# Altium PCB IMX93EVK-SOM_Only-BGA-Fanouts_PrePlaced.PcbDoc (part 2 of 4) (continued)
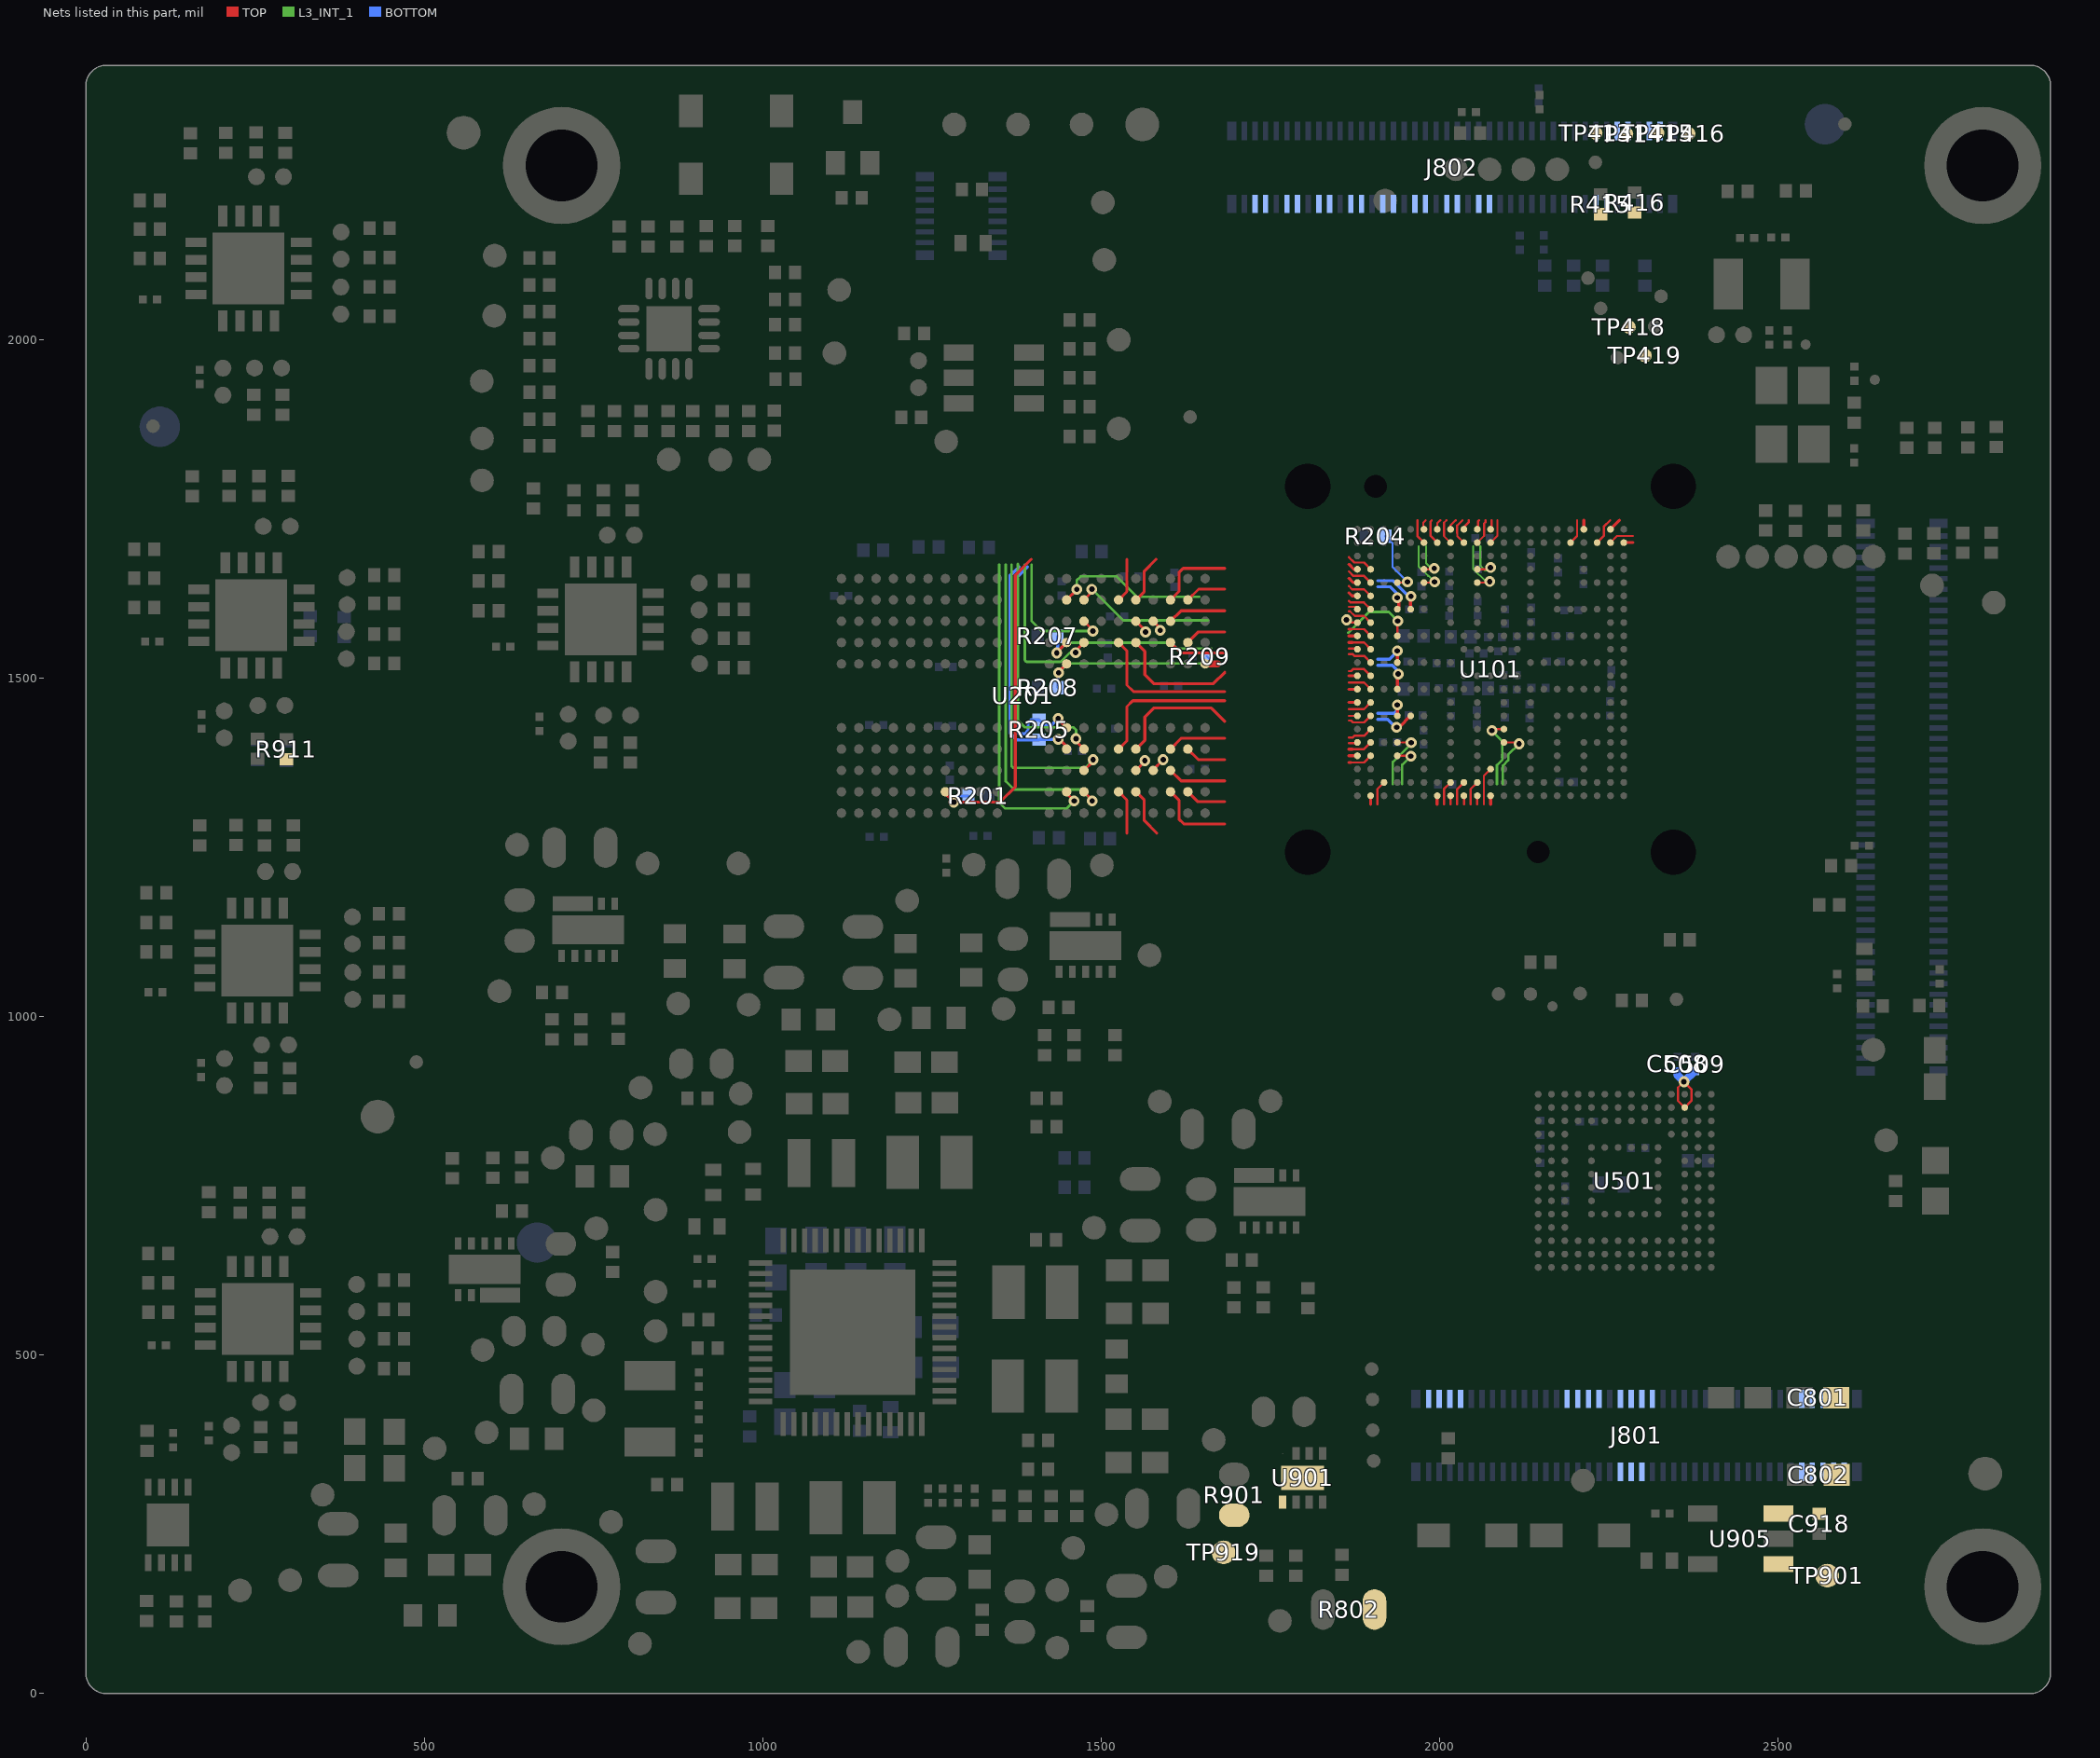
[diagram p5: the nets of this part, all layers, seen from the top]
## Part data (continued)
R103 R104 R109 R110 R111 R202 R203 R206 R702 R704 R709 R801: library part RES, "RES MF ZERO OHM 1/10W -- 0603", Temp Range="¨C55 ¡ãC to +155 ¡ãC", AGILE_PN=470-80866, CAD_APPROVED=Yes, CLASS=DISCRETE, FPLIST=RC0603_OV,RC0603,R603-X2,0603_CC,IND_0603HP_NSP,CC0603_OV_NSP, HEIGHT=0.6MM, MFG_NAME01="WALSIN TECHNOLOGY CORP.", MFG_PN01=WR06X000PTL, PCB Footprint=0603_CC, ROHS=Yes
  R103 R104 R109 R110 R111 R202 R203 R206 R702 R801: ASSY_OPT=DNP
R201 R207 R208 R310 R311 R403 R501 R502 R602 R907 R913 R914 R915 R922 R933 R934 R936 R938 R951 R952 R953 R955 R956 R959 R971 R985 R993 R994 R995 R1011 R1012 R1013 R1024 R1025 R1027: library part RES, "RES MF 10K 1/16W 5% 0402", Tolerance=5%, AGILE_PN=470-75557, CAD_APPROVED=Yes, CLASS=DISCRETE, FPLIST=RC0402_25,RC0402_HD,0402_CC, HEIGHT="0.4 MM", MFG_NAME01="VISHAY INTERTECHNOLOGY", MFG_PN01=CRCW040210K0JNED, PCB Footprint=0402_CC, ROHS=Yes
  R207 R208 R310 R311 R501 R502 R914 R934 R956 R971 R994 R1025: ASSY_OPT=DNP
R204: library part RES, "RES MF 120 OHM 1/10W 1% AEC-Q200 0402", Temp Range="-55¡ãC ~ 155¡ãC", Tolerance=1%, VOLTAGE=1/10W, AGILE_PN=470-82646, CAD_APPROVED=Yes, CLASS=DISCRETE, FPLIST=RC0402_25,RC0402_HD,0402_CC, HEIGHT=0.4MM, MFG_NAME01=Panasonic, MFG_PN01=ERJ-2RKF1200X, PCB Footprint=0402_CC, ROHS=Yes
R205: library part RES, "RES MF 150 OHM 1/16W 1% 0402", Tolerance=1%, AGILE_PN=470-75353, ASSY_OPT=DNP, CAD_APPROVED=Yes, CLASS=DISCRETE, FPLIST=RC0402_25,RC0402_HD,0402_CC, HEIGHT=0.4MM, MFG_NAME01="NIC COMPONENTS CORP", MFG_PN01=NRCL04F1500TRF, PCB Footprint=0402_CC, ROHS=Yes
R209: library part RES, "RES MF 240 OHM 1/20W 1% 0201", Temp Range="-55¡ãC ~ 125¡ãC", Tolerance=1%, VOLTAGE=25V, AGILE_PN=470-81317, CAD_APPROVED=Yes, CLASS=DISCRETE, FPLIST=CC0201,CC0201_HD,0201_CC, HEIGHT=0.26MM, MFG_NAME01="YAGEO AMERICA", MFG_PN01=RC0201FR-07240RL, PCB Footprint=0201_CC, ROHS=Yes, Temp_Range="-55¡ãC ~ 125¡ãC"
R301 R304 R406 R412 R717 R719 R724 R725 R906 R910 R926 R928 R946 R948 R988 R990 R1019 R1021: library part RES, "RES MF ZERO OHM 1/20W -- 0201", AGILE_PN=470-76631, CAD_APPROVED=Yes, CLASS=DISCRETE, FPLIST=RC0201,0201_CC,RC0201_X2, HEIGHT="0.30 MM", MFG_NAME01=BOURNS, MFG_PN01=CR0201-J/-000GLF, PCB Footprint=0201_CC, ROHS=Yes
R302 R303 R305: library part RES, "RES MF 200 OHM 1/20W 1% 0201", Temp Range="-55¡ãC ~ 125¡ãC", Tolerance=1%, VOLTAGE=25V, AGILE_PN=470-82323, CAD_APPROVED=Yes, CLASS=DISCRETE, FPLIST=RC0201,0201_CC, HEIGHT=0.26MM, MFG_NAME01="YAGEO AMERICA", MFG_PN01=RC0201FR-07200RL, PCB Footprint=0201_CC, ROHS=Yes, Temp_Range="-55¡ãC ~ 125¡ãC"
R306 R307 R308 R309 R312 R601 R603 R604 R712 R713 R975 R976 R977 R978 R979 R980 R981 R982 R1036 R1037: library part RES, "RES MF 4.7K 1/10W 5% AEC-Q200 0402", Temp Range="-55C to +155C", Tolerance=5%, VOLTAGE=50V, AGILE_PN=470-82064, CAD_APPROVED=Yes, CLASS=DISCRETE, FPLIST=RC0402_25,RC0402_HD,0402_CC,RC0402_X2, HEIGHT=0.41mm, MFG_NAME01="KOA SPEER", MFG_PN01=RK73B1ETTP472J, PCB Footprint=0402_CC, ROHS=Yes
  R306 R307 R308 R309 R312 R712 R713: Temp_Range="-55C to +155C"
  R601 R603 R604: ASSY_OPT=DNP
R401 R404 R405 R415 R416 R417 R418 R609 R610 R611 R612 R703 R705 R1009: library part RES, "RES MF 100K 1/16W 5% 0402", Temp Range="-55C to +155C", Tolerance=5%, VOLTAGE=50V, AGILE_PN=470-75597, CAD_APPROVED=Yes, CLASS=DISCRETE, FPLIST=RC0402_25,RC0402_HD,0402_CC, HEIGHT="0.40 MM", MFG_NAME01="VENKEL COMPANY", MFG_PN01=CR0402-16W-104JT, PCB Footprint=0402_CC, ROHS=Yes
  R401 R609 R610 R611 R612 R703: ASSY_OPT=DNP
R411: library part RES, "RES MF ZERO OHM 1/20W -- 0201", Tolerance=5%, AGILE_PN=470-76631, ASSY_OPT=DNP, CAD_APPROVED=Yes, CLASS=DISCRETE, FPLIST=RC0201,0201_CC,RC0201_X2, HEIGHT="0.30 MM", MFG_NAME01=BOURNS, MFG_PN01=CR0201-J/-000GLF, PCB Footprint=0201_CC, ROHS=Yes
R413: library part RES, "RES MF 4.7M  1/16W 1% 0402", Temp Range="-55¡ãC ~ 155¡ãC", Tolerance=1%, VOLTAGE=50V, AGILE_PN=470-31250, ASSY_OPT=DNP, CAD_APPROVED=Yes, CLASS=DISCRETE, FPLIST=RC0402_25,RC0402_HD,0402_CC, HEIGHT="0.40 MM", MFG_NAME01="YAGEO AMERICA", MFG_PN01=RC0402FR-074M7L, PCB Footprint=RC0402_25, ROHS=Yes
R414: library part RES, "RES MF 510K 1/16W 5% 0402", Tolerance=5%, AGILE_PN=470-76166, ASSY_OPT=DNP, CAD_APPROVED=Yes, CLASS=DISCRETE, FPLIST=RC0402_25,RC0402_HD,0402_CC, HEIGHT="0.4 MM", MFG_NAME01=PANASONIC, MFG_PN01=ERJ-2GEJ514X, PCB Footprint=0402_CC, ROHS=Yes
R605: library part RES, "RES MF 1.0K 1/16W 1% 0402", Tolerance=1%, VOLTAGE=1/16W, AGILE_PN=470-76037, CAD_APPROVED=Yes, CLASS=DISCRETE, FPLIST=RC0402_25,RC0402_HD,RC0402_X2,0402_CC, HEIGHT=0.4MM, MFG_NAME01="YAGEO AMERICA", MFG_PN01=RC0402FR-071KL, PCB Footprint=0402_CC, ROHS=Yes
R613: library part RES, "RES MF 30K 1/10W 1% AEC-Q200 0402", Temp Range="-55C to +155C", Tolerance=1%, VOLTAGE=50V, AGILE_PN=470-81708, CAD_APPROVED=Yes, CLASS=DISCRETE, FPLIST=RC0402_25,RC0402_HD,0402_CC, HEIGHT="0.40 MM", MFG_NAME01="KOA SPEER", MFG_PN01=RK73H1ETTP3002F, PCB Footprint=0402_CC, ROHS=Yes
R614: library part RES, "RES MF 52.3K OHM 1% 1/20W 0201", Temp Range="-55&#8451; to 125&#8451;", Tolerance=1%, AGILE_PN=470-81464, CAD_APPROVED=Yes, CLASS=DISCRETE, FPLIST=RC0201,0201_CC, HEIGHT=0.26MM, MFG_NAME01="YAGEO AMERICA", MFG_PN01=RC0201FR-0752K3L, PCB Footprint=0201_CC, ROHS=Yes
R720: library part RES, "RES MF 1.0M 1/20W 5% AEC-Q200 0201", Temp Range="55¡ãC ~ 125¡ãC", Tolerance=5%, VOLTAGE=25V, AGILE_PN=470-79975, ASSY_OPT=DNP, CAD_APPROVED=Yes, CLASS=DISCRETE, FPLIST=RC0201,0201_CC, HEIGHT=0.26MM, MFG_NAME01=PANASONIC, MFG_PN01=ERJ-1GNJ105C, PCB Footprint=0201_CC, ROHS=Yes, Temp_Range="55¡ãC ~ 125¡ãC"
R901 R999: library part RES, "RES MF 0.4 OHM 1/10W 1% AEC-Q200 0603", Temp Range="-55¡ãC to +155¡ãC", Tolerance=1%, AGILE_PN=470-81316, CAD_APPROVED=Yes, CLASS=DISCRETE, FPLIST=RC0603_OV,RC0603,R603-X2,0603_CC, HEIGHT=0/55MM, MFG_NAME01=YAGEO, MFG_PN01=RL0603FR-070R4L, PCB Footprint=RC0603_OV, ROHS=Yes
R904 R932 R1040 R1041: library part RES, "RES MF 0.02OHM 1/4W 0.5% 0805", Tolerance=0.5%, AGILE_PN=470-79241, CAD_APPROVED=Yes, CLASS=DISCRETE, FPLIST=RC0805_OV,RC0805,0805_CC, HEIGHT=0.46MM, MFG_NAME01="VISHAY INTERTECHNOLOGY", MFG_PN01=WSL0805R0200DEA18, PCB Footprint=RC0805_OV, ROHS=Yes
R908: library part RES, "RES MF 1.0K 1/10W 5% 0603", Tolerance=5%, AGILE_PN=470-75412, CAD_APPROVED=YES, CLASS=DISCRETE, FPLIST=RC0603_OV,RC0603,0603_CC, HEIGHT=0.6MM, MFG_NAME01="VENKEL COMPANY", MFG_PN01=CR0603-10W-102JT, PCB Footprint=RC0603_OV, ROHS=Yes
R912: library part RES, "RES MF 499 OHM 1/16W 1% 0402", Tolerance=1%, AGILE_PN=470-30807, CAD_APPROVED=Yes, CLASS=DISCRETE, FPLIST=RC0402_25,RC0402_HD,0402_CC, HEIGHT="0.40 MM", MFG_NAME01=ROHM, MFG_PN01=MCR01MZPF4990, PCB Footprint=RC0402_25, ROHS=Yes
R919: library part RES, "RES MF 499 OHM 1/10W 0.1% AEC-Q200 0603", Package Type="PCB Mount", Temp Range="-55¡ãC ~ 155¡ãC", Tolerance=0.1%, 3D_Mechanical_Footprint_File=ftp://fcl.am.freescale.net/ALLEGRO/step/rc0603_ov.STEP, AGILE_PN=470-82950, CAD_APPROVED=Yes, CLASS=DISCRETE, FPLIST=RC0603_OV,RC0603,0603_CC, HEIGHT="0.55 MM", MFG_NAME01="KOA Speer", MFG_PN01=RN73R1JTTD4990B25, PCB Footprint=RC0603_OV, ROHS=Yes
R920: library part RES, "RES MF 10 OHM 1/16W 0.1% 0603", Temp Range="-55C to +155C", Tolerance=0.1%, AGILE_PN=470-82209, CAD_APPROVED=Yes, CLASS=DISCRETE, FPLIST=RC0603_OV,RC0603,0603_CC, HEIGHT=0.55MM, MFG_NAME01="TE CONNECTIVITY LTD", MFG_PN01=CPF0603B10RE1, PCB Footprint=RC0603_OV, ROHS=Yes
R930: library part RES, "RES TF 806 OHM 1% 1/10W AEC-Q200 0402", Tolerance=1%, AGILE_PN=470-81001, CAD_APPROVED=Yes, CLASS=DISCRETE, FPLIST=RC0402_25,RC0402_HD,0402_CC, HEIGHT=0.4MM, MFG_NAME01=PANASONIC, MFG_PN01=ERJ-2RKF8060X, PCB Footprint=RC0402_25, ROHS=Yes
R931 R998: library part RES, "RES MF 1.00 OHM 1/10W 1% 0603", Tolerance=1%, AGILE_PN=470-30469, CAD_APPROVED=Yes, CLASS=DISCRETE, FPLIST=RC0603_OV,RC0603,0603_CC, HEIGHT="0.55 MM", MFG_NAME01="YAGEO AMERICA", MFG_PN01=RC0603FR-071RL, PCB Footprint=RC0603_OV, ROHS=Yes
R942 R973: library part RES, "RES MF 2.0 OHM 1/8W 1% AEC-Q200 0603", Temp Range="-55¡ãC to +155¡ãC", Tolerance=1%, AGILE_PN=470-81851, CAD_APPROVED=Yes, CLASS=DISCRETE, FPLIST=RC0603_OV,RC0603,0603_CC, HEIGHT=0.55MM, MFG_NAME01="KOA SPEER", MFG_PN01=RK73H1JTTD2R00F, PCB Footprint=RC0603_OV, ROHS=Yes
R944 R974: library part RES, "RES MF 0.05OHM 1/4W 1% 0805", Tolerance=1%, AGILE_PN=470-79239, CAD_APPROVED=Yes, CLASS=DISCRETE, FPLIST=RC0805_OV,RC0805,0805_CC, HEIGHT=0.46MM, MFG_NAME01="VISHAY INTERTECHNOLOGY", MFG_PN01=WSL0805R0500FEA18, PCB Footprint=RC0805_OV, ROHS=Yes
R950: library part RES, "RES MF 1.27K  1/10W 1% AEC-Q200 0402", Temp Range="-55¡ãC to +155¡ãC", Tolerance=1%, VOLTAGE=50V, AGILE_PN=470-30846, CAD_APPROVED=Yes, CLASS=DISCRETE, FPLIST=RC0402_25,RC0402_HD,0402_CC, HEIGHT="0.40 MM", MFG_NAME01="KOA SPEER", MFG_PN01=RK73H1ETTP1271F, PCB Footprint=RC0402_25, ROHS=Yes
R992: library part RES, "RES MF 2.05K  1/10W 1% AEC-Q200 0402", Temp Range="-55C to +155C", Tolerance=1%, VOLTAGE=50V, AGILE_PN=470-30868, CAD_APPROVED=Yes, CLASS=DISCRETE, FPLIST=RC0402_25,RC0402_HD,0402_CC, HEIGHT="0.40 MM", MFG_NAME01="KOA SPEER", MFG_PN01=RK73H1ETTP2051F, PCB Footprint=RC0402_25, ROHS=Yes
R1001 R1007 R1014: library part RES, "RES 0.25 OHM 1% 1/8W 0805", Package Size="0805 (2012 Metric)", Temp Range="-55 ¡ãC to +125 ¡ãC", Tolerance=1%, AGILE_PN=470-82521, CAD_APPROVED=Yes, CLASS=DISCRETE, FPLIST=RC0805_OV,RC0805,0805_CC, HEIGHT=0.6MM, MFG_NAME01=Yageo, MFG_PN01=RL0805FR-070R25L, PCB Footprint=RC0805_OV, ROHS=Yes
R1002: library part RES, "RES MF 4.99 OHM 0.1% 1/16W 0603", Package Size="0603 (1608 Metric)", Temp Range="-55¡ãC ~ 155¡ãC", Tolerance=0.1%, AGILE_PN=470-82515, CAD_APPROVED=Yes, CLASS=DISCRETE, FPLIST=RC0603_OV,RC0603,0603_CC, HEIGHT=0.55MM, MFG_NAME01="TE CONNECTIVITY LTD", MFG_PN01=CPF0603B4R99E1, PCB Footprint=RC0603_OV, ROHS=Yes
R1003 R1004 R1017 R1031: library part RES, "RES MF 0.1 OHM 1/4W 1% AEC-Q200 0805", Temp Range="-65¡ã C to +170¡ã C", Tolerance=1%, AGILE_PN=470-82403, CAD_APPROVED=Yes, CLASS=DISCRETE, FPLIST=RC0805_OV,RC0805,0805_CC, HEIGHT=0.584MM, MFG_NAME01="VISHAY INTERTECHNOLOGY", MFG_PN01=WSL0805R1000FEA18, PCB Footprint=RC0805_OV, ROHS=Yes
R1010: library part RES, "RES MF 2.2K 1/16W 5% 0402", Tolerance=5%, AGILE_PN=470-75636, CAD_APPROVED=Yes, CLASS=DISCRETE, FPLIST=RC0402_25,RC0402_HD,0402_CC, HEIGHT="0.4 MM", MFG_NAME01=BOURNS, MFG_PN01=CR0402-JW-222GLF, PCB Footprint=RC0402_25, ROHS=Yes
R1023: library part RES, "RES MF 3.24K 1/16W 1% 0402", Temp Range="-55¡ãC to +175¡ãC", Tolerance=1%, AGILE_PN=470-76185, CAD_APPROVED=Yes, CLASS=DISCRETE, FPLIST=RC0402_25,RC0402_HD,0402_CC, HEIGHT=0.45MM, MFG_NAME01=SMEC, MFG_PN01=RC73A2Z3241FTF, PCB Footprint=RC0402_25, ROHS=Yes
TP202 TP401 TP402 TP403 TP404 TP405 TP407 TP408 TP409 TP410 TP411 TP413 TP414 TP415 TP416 TP418 TP419 TP501 TP502 TP503 TP505: library part TESTLOOP, "TEST POINT PAD 0.5MM DIA SMT, NO PART TO ORDER", AGILE_PN=211-77484, ASSY_OPT=DNP, CAD_APPROVED=Yes, CLASS=IO, HEIGHT=0.1MM, PCB Footprint=tpad_020, ROHS=Yes
TP412 TP417 TP504: library part TESTLOOP, "TEST POINT PAD 15MIL DIA SMT, NO PART TO ORDER", AGILE_PN=211-76645, ASSY_OPT=DNP, CAD_APPROVED=Yes, CLASS=IO, HEIGHT=0.1MM, MFG_NAME01=NOTACOMPONENT, MFG_PN01=NOTACOMPONENT, PCB Footprint=TPAD_015, ROHS=Yes
TP603 TP604 TP607 TP608 TP609 TP610 TP611 TP612 TP613 TP614 TP615 TP616 TP617 TP702 TP703 TP706 TP707 TP708 TP709 TP710 TP711 TP712 TP713 TP714 TP805 TP901 TP902 TP903 TP904 TP905 TP906 TP907 TP908 TP909 TP910 TP911 TP915 TP916 TP917 TP918 TP919 TP920 TP921 TP922 TP923 TP924 TP925 TP926 TP927 TP928 TP929 TP930 TP931 TP932 TP933 TP934 TP935 TP936 TP937 TP938 TP939 TP940 TP941 TP942 TP943 TP944 TP945 TP946 TP947 TP948 TP949 TP950 TP951 TP952 TP953 TP954 TP955 TP956 TP957 TP958 TP959 TP960 TP961 TP962 TP963 TP964 TP965: library part "T POINT R", "TEST POINT PAD .035 SMT, no part to order", AGILE_PN=510-75618, CAD_APPROVED=Yes, CLASS=IC, HEIGHT=0.1MM, PCB Footprint=testpoint_35mil, ROHS=Yes
  TP603 TP604 TP607 TP608 TP609 TP610 TP611 TP612 TP613 TP614 TP615 TP616 TP617 TP702 TP703 TP706 TP707 TP708 TP709 TP710 TP711 TP712 TP713 TP714 TP805: ASSY_OPT=DNP
TP801 TP802 TP803 TP804: library part TESTLOOP, "TEST POINT PAD 50MIL DIA SMT, NO PART TO ORDER", AGILE_PN=211-76644, ASSY_OPT=DNP, CAD_APPROVED=Yes, CLASS=IO, HEIGHT=0.1MM, MFG_NAME01=NOTACOMPONENT, MFG_PN01=NOTACOMPONENT, PCB Footprint=TPAD_050, ROHS=Yes
U101: library part MIMX9352DVNxLAA, "SUBASSEMBLY SKT 306 BGA ELASTOMER SMT 0.5MM 395H AU + IC CPU 1.7GHz -- FCBGA306", AGILE_PN=750-78710, CAD_APPROVED=Yes, CLASS=IC, FPLIST=skt_bga306_0p5_sq16p23_elast,skt_bga306_0p5_sq16p23_elast_nsp, HEIGHT=10.03MM, Manufacturer Part Number=MIMX9352CVVMAB, MFG_NAME01=SUBASSEMBLY, MFG_PN01=211-81728,330-77207, PCB Footprint=skt_bga306_0p5_sq16p23_elast_nsp, ROHS=Yes
U201: library part MT53B768M32D4NQ_200P, "IC MEM LPDDR4/LPDDR4X SDRAM 1GX16 1.1V AEC-Q100 TFBGA200", Temp Range="-40C to +105C¡ãC", VOLTAGE=1.1V, AGILE_PN=334-77894, CAD_APPROVED=Yes, CLASS=IC, HEIGHT=0.95MM, MFG_NAME01=MICRON, MFG_PN01="MT53E1G16D1FW-046 AAT:A", PCB Footprint=bga200_0p65x0p8_10x14p5, PRE_APN=334-77894, ROHS=Yes, SPLIT_INST=TRUE, SWAP_INFO=(S1+S2), Temp_Range="-40C to +105C¡ãC"
U501: library part SDINBDA6_32G_I_VFBGA_153P, "IC MEM NAND FLASH 16GB MMC 5.1 CTLR 2.7-3.6V FBGA153", Temp Range="-25¡ãC to 85¡ãC", AGILE_PN=342-00870, CAD_APPROVED=Yes, CLASS=IC, HEIGHT=1MM, MFG_NAME01="SANDISK CORPORATION", MFG_PN01=SDINBDA6-16G-I, PCB Footprint=fbga153_0p5_11p5x13, ROHS=Yes
U701: "IC POWER MANAGEMENT 2.7-5.5V HVQFN56", Package Size=7x7, 3D_Mechanical_Footprint_File=ftp://fcl.am.freescale.net/ALLEGRO/step/hvqfn56_0p4_7x7_ep4p7mm.step, AGILE_PN=TMP-CIP-8249, CAD_APPROVED=Yes, CLASS=IC, HEIGHT=1MM, MFG_NAME01="NXP SEMICONDUCTORS", MFG_PN01=PCA9451AHNY, PCB Footprint=hvqfn56_0p4_7x7_ep4p7mm, PRE_APN=315-83273, ROHS=Yes, SPLIT_INST=TRUE, SWAP_INFO=(S1+S2+S3)
U901: library part DML3006LFDS-7_A_0, "IC LOAD SW 0.5-13.5V 10.5A 3-5.5V DFN2020-8", Package Size="8-VFDFN Exposed Pad", Supply Voltage=3-5.5V, Temp Range="-40¡ãC to +85¡ãC", 3D_Mechanical_Footprint_File=ftp://fcl.am.freescale.net/ALLEGRO/step/dfn2020_0p5_sq2.STEP, AGILE_PN=315-83392, CAD_APPROVED=Yes, CLASS=IC, HEIGHT=0.9MM, MFG_NAME01="DIODES INC", MFG_PN01=DML3006LFDS-7, PCB Footprint=dfn2020_0p5_sq2, ROHS=Yes, VOLTAGE=3-5.5V
U902 U904 U907 U911 U912: library part PAC1934_UQFN16_A, "IC MULTI CHANNEL POWER/ENERGY MONITOR  2.7-5.5V UQFN16", 3D_Mechanical_Footprint_File=ftp://fcl.am.freescale.net/ALLEGRO/step/qfn16_0p65_4X4_a.step, AGILE_PN=312-82072, CLASS=IC, MFG_NAME01="MICROCHIP TECHNOLOGY INC", MFG_PN01=PAC1934T-I/JQ, PCB Footprint=qfn16_0p65_4X4_a
U903 U906 U908 U910: library part TPS22990NDMLT_WSON10_2, "IC LOAD SWITCH 10A 2.5-5.5V WSON10", Temp Range="-40¡ãC ~ 105¡ãC", VOLTAGE=2.5-5.5V, 3D_Mechanical_Footprint_File=ftp://fcl.am.freescale.net/ALLEGRO/step/wson10_0p5_2p1x3p1.STEP, AGILE_PN=315-82218, CAD_APPROVED=Yes, CLASS=IC, HEIGHT=0.8MM, MFG_NAME01="TEXAS INSTRUMENTS", MFG_PN01=TPS22990NDMLT, PCB Footprint=wson10_0p5_2p1x3p1, ROHS=Yes
U905: library part RT9193-33PB, "IC VREG LDO 3.3V 300MA SOT-23-5", 3D_Mechanical_Footprint_File=sot23-5, AGILE_PN=315-76265, CAD_APPROVED=Yes, CLASS=IC, HEIGHT=1.295MM, MFG_NAME01=RICHTEK, MFG_PN01=RT9193-33PB, PCB Footprint=sot23-5, ROHS=Yes
U909: library part ADP5585ACPZ_LFCSP16_A, "IC I/O EXPANDER I2C 1.65-3.6V LFCSP16", Package Size=LFCSP-16, Supply Voltage="1.8 V to 3 V", Temp Range="-40¡ã C to + 85¡ãC", AGILE_PN=312-83328, CAD_APPROVED=Yes, CLASS=IC, HEIGHT=0.8MM, MFG_NAME01="Analog Devices", MFG_PN01=ADP5585ACPZ-00-R7, PCB Footprint=lfcsp_16_0p5_3x3_a, ROHS=Yes
U913: library part "PCT2075 _SON8_EP", "IC I2C DIGITAL TEMP SENSOR AND THERMAL WDG 2.7-5.5V HWSON8", VOLTAGE=2.7-5.5V, 3D_Mechanical_Footprint_File=ftp://fcl.am.freescale.net/ALLEGRO/step/hwson8_0p5_3p1x2p1.STEP, AGILE_PN=312-81267, CAD_APPROVED=Yes, CLASS=IC, HEIGHT="0.8 MM", MFG_NAME01="NXP SEMICONDUCTORS", MFG_PN01=PCT2075TP,147, PCB Footprint=hwson8_0p5_3p1x2p1, ROHS=Yes
U914: library part 93AA56BT_SOT23-6, "IC MEM EEPROM SERIAL 2K 16BIT 2.5-5.5V SOT23-6", Temp Range="-40C to +85C", VOLTAGE=2.5-5.5V, AGILE_PN=334-77717, CAD_APPROVED=Yes, CLASS=IC, HEIGHT=1.45MM, MFG_NAME01="MICROCHIP TECHNOLOGY INC", MFG_PN01=93LC56BT-I/OT, PCB Footprint=sot23-6, ROHS=Yes
Y401: library part XTAL_13, "XTAL 24MHZ 9pF -- SMT 3.2X2.5MM", AGILE_PN=230-77392, CAD_APPROVED=Yes, CLASS=IC, HEIGHT=0.60MM, MFG_NAME01="EPSON TOYOCOM CORPORATION", MFG_PN01="TSX-3225 24.0000MF15X-AC3", PCB Footprint=xtlosc4_3p2x2p5mm_sm, ROHS=Yes

## Free pads (board coordinates)
  round 20 smd paste-99999 mask+5: ""(99.1,1872.72) ""(488.31,933.08) ""(2599.36,2319.04)
  round 60 smd far side: ""(109.22,1871.88) ""(666.82,666.4) ""(2569.8,2318.92)

## Via types
v1: diameter 16, hole 8, TOP to BOTTOM, tented both sides, 160 vias

## Nets (pads, with @x,y where several pads share a name; then routed paths per layer and width w, separated by ;. In a path a pad name is that pad's centre, name@x,y a point inside that pad or via, vN(x,y) a via of type N, cw(c..) or ccw(c..) an arc to the next point about the centre after c; other vN are vias at no path point)
ADC_IN0: J802.72 TP413.1 U101.B19 | length 40.8
  TOP w3.2: U101.B19@2233.2,1700.65 2242.95,1710.4 2242.95,1724.19 2252.33,1733.57
ADC_IN1: J802.74 TP414.1 U101.A20 | length 18.7
  TOP w4.4: U101.A20@2252.89,1720.33 2266.13,1733.57
ADC_IN2: J802.78 TP415.1 U101.B20 | length 37.1
  TOP w3: U101.B20@2252.89,1700.65 2262.64,1710.4 2285.96,1710.4
ADC_IN3: J802.80 TP416.1 U101.B21 | length 13.4
  TOP w4.4: U101.B21@2272.57,1700.65 2285.96,1700.65
BB_VSYS_5V: C801.1 C802.1 C918.1 J801.1 J801.2 J801.3 J801.4 J801.5 J801.6 J801.7 J801.8 J801.9 J801.10 R802.2 R901.1 R911.1 TP901.1 TP919.1 U901.1 U901.8 U905.1 U905.3
CLKIN1: J802.67 R415.1 TP418.1 U101.B17 | length 37
  TOP w3.2: U101.B17@2193.83,1700.65 2203.58,1710.4 2203.58,1733.57
CLKIN2: J802.69 R416.1 TP419.1 U101.A18 | length 13.3
  TOP w4.4: U101.A18@2213.52,1720.33 2213.62,1720.43 2213.62,1733.57
CLKO01: J801.79 U101.AA2 | length 12.5
  TOP w4.4: 1898.55,1314.16 U101.AA2@1898.55,1326.63
CLKO02: J801.77 U101.Y3 | length 36.2
  TOP w3.2: 1908.38,1314.16 1908.38,1336.46 U101.Y3@1918.24,1346.32
CLKO03: J801.75 U101.U4 | length 92.8
  TOP w3.2: U101.U4@1937.92,1405.37 1957.98,1405.37 v1(1958.32,1405.03)
  L3_INT_1 w3.6: 1931.33,1344 1931.33,1376.66 1958.32,1403.65 v1(1958.32,1405.03)
CLKO04: J801.73 U101.V4 | length 66.5
  TOP w3.2: U101.V4@1937.92,1385.69 1957.15,1385.69 v1(1957.81,1385.03)
  L3_INT_1 w3.6: 1945.04,1344 1945.04,1372.34 1945.17,1372.39 v1(1957.81,1385.03)
CSI_CLK_N: J802.47 U101.D10 | length 68.2
  TOP w3.4: U101.D10@2056.03,1661.28 2073.09,1661.28 v1(2075.56,1663.75)
  L3_INT_1 w2.9: 2060.71,1695 2060.71,1666.65 2067.53,1659.83 2071.64,1659.83 v1(2075.56,1663.75)
CSI_CLK_P: J802.45 U101.E10 | length 84.7
  TOP w3.4: U101.E10@2056.03,1641.59 2072.99,1641.59 v1(2074.51,1643.11)
  L3_INT_1 w2.9: 2049.71,1695 2049.71,1662.09 2068.69,1643.11 v1(2074.51,1643.11)
CSI_D0_N: J802.41 U101.A11 | length 13.9
  TOP w3.4: U101.A11@2075.72,1720.33 2077.16,1721.77 2077.16,1731.83 2076.94,1732.05 2076.94,1733.57
CSI_D0_P: J802.39 U101.B11 | length 37.1
  TOP w3: U101.B11@2075.72,1700.65 2085.76,1710.69 2085.76,1733.57
CSI_D1_N: J802.35 U101.A10 | length 14.3
  TOP w3.4: U101.A10@2056.03,1720.33 2057.27,1721.57 2057.27,1732.3 2058.54,1733.57
CSI_D1_P: J802.33 U101.B10 | length 37.9
  TOP w3: U101.B10@2056.03,1700.65 2066.07,1710.68 2066.07,1728.8 2067.94,1730.67
  TOP w3.4: 2067.94,1730.67 2067.94,1733.57
DRAM_CA0_A: U101.H2 U201.H2 | length 250.4
  TOP w3.2: 1866.4,1599.36 1867.94,1599.36 1874.94,1592.36 1888.73,1592.36 U101.H2@1898.55,1582.54
  TOP w4.1: U201.H2@1474.8,1616.01 1486.5,1627.71 v1(1486.5,1631.79)
  L3_INT_1 w3.8: v1(1486.5,1631.79) 1532.63,1585.66 1658,1585.66
DRAM_CA1_A: U101.G1 U201.J2 | length 245.2
  TOP w3.2: 1866.4,1605.76 1875.33,1605.76 U101.G1@1878.87,1602.22
  TOP w4.1: U201.J2@1449.21,1616.01 1464.14,1630.94 v1(1464.14,1631.74)
  L3_INT_1 w3.8: v1(1464.14,1631.74) 1464.14,1644.74 1470.21,1650.81 1523.08,1650.81 1553.41,1620.48 1645.44,1620.48
DRAM_CA2_A: U101.F2 U201.H9 | length 394.2
  TOP w3.2: 1866.4,1636.32 1871,1631.72 1888.74,1631.72 U101.F2@1898.55,1621.91
  TOP w4.1: v1(1463.1,1410.95) 1463.1,1407.24 U201.H9@1474.8,1395.54
  L3_INT_1 w3.8: 1377,1669 1377,1438.12 1387.39,1427.73 1459.3,1427.73 1463.1,1423.93 v1(1463.1,1410.95)
DRAM_CA3_A: U101.E1 U201.H10 | length 461
  TOP w4.1: U201.H10@1474.8,1364.04 1488.35,1377.59 v1(1488.35,1379.97)
  TOP w4.4: 1866.4,1648 1872.81,1641.59 U101.E1@1878.87,1641.59
  L3_INT_1 w3.8: 1367.99,1668 1367.99,1370.02 1370.22,1367.79 1476.17,1367.79 v1(1488.35,1379.97)
DRAM_CA4_A: U101.E2 U201.H11 | length 517.4
  TOP w3.2: 1866.4,1658.19 1873.15,1651.44 1888.7,1651.44 U101.E2@1898.55,1641.59
  TOP w4.1: U201.H11@1474.8,1332.55 1487.08,1320.27 v1(1487.08,1318.99)
  L3_INT_1 w3.8: 1359.3,1668 1359.3,1348.05 1371.57,1335.78 1470.29,1335.78 v1(1487.08,1318.99)
DRAM_CA5_A: U101.D1 U201.J11 | length 504.1
  TOP w4.1: U201.J11@1449.21,1332.55 1449.21,1330.17 v1(1460.38,1319)
  TOP w4.4: 1866.4,1668.58 1873.7,1661.28 U101.D1@1878.87,1661.28
  L3_INT_1 w3.8: 1349.59,1668 1349.59,1316.76 1358.56,1307.79 1449.17,1307.79 v1(1460.38,1319)
DRAM_CK_C_A: R205.2 U101.G5 U201.J9 | length 425.9
  TOP w4.1: v1(1436.86,1409.95) 1438.88,1409.95 1449.21,1399.62 U201.J9@1449.21,1395.54
  TOP w4.6: U101.G5@1957.58,1602.25 1957.58,1620.65 v1(1958.17,1621.24)
  BOTTOM w4.6: 1378.85,1665 1365.44,1651.59 1365.44,1419.2 1375.31,1409.33 1391.43,1409.33 R205.2@1408.56,1409.32 1409.19,1409.95 v1(1436.86,1409.95) ; 1909,1644.44 1931.39,1644.44 1954.59,1621.24 v1(1958.17,1621.24)
DRAM_CK_T_A: R205.1 U101.G4 U201.J8 | length 411.6
  TOP w4.1: v1(1436.72,1440.81) 1436.72,1439.53 U201.J8@1449.21,1427.04
  TOP w4.6: v1(1937.82,1619.2) 1940.16,1616.86 1940.16,1604.46 U101.G4@1937.92,1602.22
  BOTTOM w4.6: 1391.58,1665 1374.44,1647.86 1374.44,1422.93 1379.04,1418.33 1387.7,1418.33 1392.3,1422.93 1392.3,1434.24 1396.9,1438.84 R205.1@1408.56,1438.84 1415.27,1432.13 1428.04,1432.13 v1(1436.72,1440.81) ; 1909,1635.44 1927.33,1635.44 1937.82,1624.95 v1(1937.82,1619.2)
DRAM_CKE0_A: R207.2 U101.H1 U201.J4 | length 297.6
  TOP w3.2: v1@1866.4,1582.54 U101.H1@1878.87,1582.54
  TOP w4.1: v1(1434.68,1537.57) 1434.68,1538.49 U201.J4@1449.21,1553.02
  L3_INT_1 w3.8: v1(1434.68,1537.57) 1449.9,1552.79 1603.84,1552.79 1612.63,1544 1663,1544
  BOTTOM w4.4: v1(1434.68,1537.57) 1435.91,1538.8 R207.2@1435.91,1562.41
  other v1: 1862.85,1586.56
DRAM_CKE1_A: R208.2 U101.J4 U201.J5 | length 379.4
  TOP w3.2: U101.J4@1937.92,1562.85 1937.92,1584.18 v1(1938.5,1584.76)
  TOP w4.1: v1(1437.36,1508.39) 1437.36,1509.67 U201.J5@1449.21,1521.52
  L3_INT_1 w3.8: v1(1437.36,1508.39) 1451.21,1522.24 1652.08,1522.24 1655.88,1518.44 ; 1865.47,1567.5 1896.07,1598.1 1925.16,1598.1 v1(1938.5,1584.76)
  BOTTOM w4.4: R208.2@1436.34,1486.62 1436.34,1507.37 v1(1437.36,1508.39)
DRAM_DATA0_A: U101.N1 U201.F4 | length 229.1
  TOP w4.4: U201.F4@1525.98,1553.02 1538.33,1540.67 1538.33,1490.14 1547.92,1480.55 1683,1480.55 ; 1866.4,1484.11 U101.N1@1878.87,1484.11
DRAM_DATA1_A: U101.N2 U201.E4 | length 220
  TOP w3.2: 1866.4,1493.96 1888.71,1493.96 U101.N2@1898.55,1484.11
  TOP w4.4: U201.E4@1551.57,1553.02 1564.73,1539.86 1564.73,1505.52 1578,1492.25 1666,1492.25 1683,1509.25
DRAM_DATA2_A: U101.M1 U201.C4 | length 99.1
  TOP w4.4: U201.C4@1602.75,1553.02 1618.04,1537.73 1683,1537.73 ; 1866.4,1503.79 U101.M1@1878.87,1503.8
DRAM_DATA3_A: U101.M2 U201.B4 | length 98.6
  TOP w3.2: 1866.4,1510.88 1869.58,1510.88 1872.34,1513.64 1888.83,1513.64 1898.55,1503.92 U101.M2@1898.55,1503.8
  TOP w4.4: U201.B4@1628.34,1553.02 1644,1568.68 1683,1568.68
DRAM_DATA4_A: U101.K1 U201.B2 | length 74.2
  TOP w3.2: 1866.4,1544.34 1877.7,1544.34 U101.K1@1878.87,1543.17
  TOP w4.4: U201.B2@1628.34,1616.01 1644.34,1632.01 1683,1632.01
DRAM_DATA5_A: U101.K2 U201.C2 | length 152.2
  TOP w3.2: 1871.27,1553.02 1888.7,1553.02 U101.K2@1898.55,1543.17
  TOP w4.4: U201.C2@1602.75,1616.01 1615.23,1628.49 1615.23,1656.4 1621.52,1662.69 1683,1662.69 ; 1866.4,1553.02 1871.27,1553.02
DRAM_DATA6_A: U101.J1 U201.E2 | length 84.8
  TOP w4.4: U201.E2@1551.57,1616.01 1563.92,1628.36 1563.92,1658.67 1581.25,1676 ; 1866.4,1562.85 U101.J1@1878.87,1562.85
DRAM_DATA7_A: U101.J2 U201.F2 | length 101.3
  TOP w3.2: 1869.7,1572.7 1888.7,1572.7 U101.J2@1898.55,1562.85
  TOP w4.4: U201.F2@1525.98,1616.01 1538.35,1628.38 1538.35,1676 ; 1866.4,1572.7 1869.7,1572.7
DRAM_DATA8_A: U101.V1 U201.E11 | length 86.4
  TOP w4.4: U201.E11@1551.57,1332.55 1563.92,1320.2 1563.92,1289.86 1582.37,1271.41 ; 1866.4,1385.69 U101.V1@1878.87,1385.69
DRAM_DATA9_A: U101.V2 U201.F11 | length 102.6
  TOP w3.2: 1869.7,1375.83 1888.83,1375.83 1888.83,1375.97 U101.V2@1898.55,1385.69
  TOP w4.4: U201.F11@1525.98,1332.55 1538.35,1320.18 1538.35,1271.41 ; 1866.4,1375.83 1869.7,1375.83
DRAM_DATA10_A: U101.U2 U201.C11 | length 152.7
  TOP w3.2: 1871.27,1395.51 1888.83,1395.51 1888.83,1395.65 U101.U2@1898.55,1405.37
  TOP w4.4: U201.C11@1602.75,1332.55 1615.23,1320.07 1615.23,1292.13 1622.47,1284.89 1683,1284.89 ; 1866.4,1395.51 1871.27,1395.51
DRAM_DATA11_A: U101.U1 U201.B11 | length 73.7
  TOP w3.2: 1866.4,1404.25 1877.75,1404.25 U101.U1@1878.87,1405.37
  TOP w4.4: U201.B11@1628.34,1332.55 1643.14,1317.75 1683,1317.75
DRAM_DATA12_A: U101.R1 U201.C9 | length 99.4
  TOP w3.2: 1866.4,1444.74 U101.R1@1878.87,1444.74
  TOP w4.4: U201.C9@1602.75,1395.54 1618.9,1411.69 1683,1411.69
DRAM_DATA13_A: U101.R2 U201.B9 | length 98.6
  TOP w3.2: 1866.4,1437.65 1869.58,1437.65 1872.34,1434.89 1888.83,1434.89 1898.55,1444.61 U101.R2@1898.55,1444.74
  TOP w4.4: U201.B9@1628.34,1395.54 1644.03,1379.85 1683,1379.85
DRAM_DATA14_A: U101.P2 U201.E9 | length 221.2
  TOP w3.2: 1866.4,1454.57 1888.71,1454.57 U101.P2@1898.55,1464.43
  TOP w4.4: U201.E9@1551.57,1395.54 1564.73,1408.7 1564.73,1443.01 1578,1456.28 1663.03,1456.28 1683,1436.31
DRAM_DATA15_A: U101.P1 U201.F9 | length 228.7
  TOP w4.4: U201.F9@1525.98,1395.54 1538.33,1407.89 1538.33,1458.39 1547.05,1467.11 1683,1467.11 ; 1866.4,1464.42 U101.P1@1878.86,1464.42
DRAM_DMI0_A: U101.L2 U201.C3 | length 124.1
  TOP w3.2: 1866.4,1536.11 1871.71,1536.11 1874.49,1533.33 1888.7,1533.33 U101.L2@1898.55,1523.48
  TOP w4.4: U201.C3@1602.75,1584.52 1618.3,1600.07 1683,1600.07
DRAM_DMI1_A: U101.T2 U201.C10 | length 124.2
  TOP w3.2: 1866.4,1412.42 1871.71,1412.42 1874.49,1415.2 1888.83,1415.2 1898.55,1424.92 U101.T2@1898.55,1425.06
  TOP w4.4: U201.C10@1602.75,1364.04 1618.33,1348.46 1683,1348.46
DRAM_NCS0_A: U101.F1 U201.H4 | length 256.9
  TOP w4.1: v1(1462.61,1538.12) 1463.09,1538.6 1463.09,1541.31 U201.H4@1474.8,1553.02
  TOP w4.4: 1866.4,1626.41 1870.9,1621.91 U101.F1@1878.87,1621.91
  L3_INT_1 w3.8: 1387.34,1668 1387.34,1528.4 ccw(c1391.14,1528.4) 1391.14,1524.6 1440.66,1524.6 1454.18,1538.12 v1(1462.61,1538.12)
DRAM_NCS1_A: U101.G2 U201.H3 | length 237.2
  TOP w3.2: 1866.4,1614.56 1868.8,1612.16 1888.61,1612.16 U101.G2@1898.55,1602.22
  TOP w4.1: U201.H3@1474.8,1584.52 1488.1,1571.22 v1(1488.1,1570.03)
  L3_INT_1 w3.8: 1397.36,1668 1397.36,1585 1411.07,1571.29 1412.33,1570.03 1426.27,1570.03 1441.47,1570.03 1460.47,1570.03 v1(1488.1,1570.03)
DRAM_NRESET: R201.1 U101.D2 U201.T11 | length 531.2
  TOP w3.2: 1866.4,1678.96 1874.23,1671.13 1888.7,1671.13 U101.D2@1898.55,1661.28
  TOP w4.4: U201.T11@1270.07,1332.55 1270.07,1329.73 v1(1282.59,1317.21) 1350.57,1317.21 1373.23,1339.87 1373.23,1652.29 1396.94,1676
  BOTTOM w4.4: v1(1282.59,1317.21) 1291.61,1326.23 R201.1@1304.04,1326.23
DRAM_SDQS0_C_A: U101.L4 U201.E3 | length 73.2
  TOP w4.1: U201.E3@1551.57,1584.52 1565.82,1570.27 v1(1565.82,1568.65)
  TOP w4.6: U101.L4@1937.92,1523.48 v1(1937.93,1540.64)
  BOTTOM w4.6: 1909,1528.45 1926.62,1528.45 v1(1937.93,1540.64)
DRAM_SDQS0_T_A: U101.N4 U201.D3 | length 78.8
  TOP w4.1: U201.D3@1577.16,1584.52 1587.63,1574.05 v1(1587.63,1571.12)
  TOP w4.6: U101.N4@1937.92,1484.11 1937.92,1505.25 v1(1939.19,1506.52)
  BOTTOM w4.6: 1909,1519.45 1930.55,1519.45 1939.02,1511.28 v1(1939.19,1506.52)
DRAM_SDQS1_C_A: U101.R5 U201.E10 | length 80.4
  TOP w4.1: U201.E10@1551.57,1364.04 1564.81,1377.28 v1(1564.81,1378.48)
  TOP w4.4: v1(1936.95,1427.76) 1940.63,1427.76 U101.R5@1957.61,1444.74
  BOTTOM w4.6: 1909,1439.37 1923.85,1439.37 1935.46,1427.76 v1(1936.95,1427.76)
DRAM_SDQS1_T_A: U101.R4 U201.D10 | length 77
  TOP w4.1: U201.D10@1577.16,1364.04 1577.16,1365.2 v1(1591.9,1379.94)
  TOP w4.6: U101.R4@1937.92,1444.74 v1@1937.92,1460.93
  BOTTOM w4.6: 1909,1448.37 1933.33,1448.37 1937.93,1452.97 v1(1937.93,1460.94)
DRAM_ZN: R204.1 U101.E4 | length 96.5
  TOP w3.2: U101.E4@1937.92,1641.59 1951.82,1641.59 v1(1952.9,1642.67)
  BOTTOM w3.2: R204.1@1920.33,1710.21 1930.84,1699.7 1930.84,1689.7 1930.84,1664.73 v1(1952.9,1642.67)
DRAM_ZQ0: R209.2 U201.A5 | length 39.3
  TOP w10: U201.A5@1653.93,1521.52 1672.49,1521.52
  BOTTOM w3.2: R209.2@1656.42,1532.71 1667.61,1521.52 1672.49,1521.52
DSI_CLK_N: J802.3 U101.D6 | length 55.8
  TOP w3.4: U101.D6@1977.29,1661.28 1991.14,1661.28 v1(1992.49,1662.63)
  L3_INT_1 w2.9: 1980.49,1695 1980.49,1670.07 1987.93,1662.63 v1(1992.49,1662.63)
DSI_CLK_P: J802.5 U101.E6 | length 78.6
  TOP w3.4: U101.E6@1977.29,1641.59 1991.95,1641.59 v1(1992.99,1642.63)
  L3_INT_1 w2.9: 1969.49,1695 1969.49,1665.51 1983.37,1651.63 1983.99,1651.63 v1(1992.99,1642.63)
DSI_D0_N: J802.9 U101.A6 | length 15
  TOP w3.2: U101.A6@1977.29,1720.33 1976.35,1721.27 1976.35,1730.22 1979.7,1733.57
DSI_D0_P: J802.11 U101.B6 | length 37
  TOP w3.2: 1967.51,1733.57 1967.51,1710.43 U101.B6@1977.29,1700.65
DSI_D1_N: J802.15 U101.A7 | length 15
  TOP w3.2: U101.A7@1996.98,1720.33 1996.98,1729.34 2001.21,1733.57
DSI_D1_P: J802.17 U101.B7 | length 37.7
  TOP w3.2: 1988.76,1733.57 1987.13,1731.94 1987.13,1710.5 U101.B7@1996.98,1700.65
DSI_D2_N: J802.21 U101.A8 | length 16.3
  TOP w3.2: U101.A8@2016.66,1720.33 2016.66,1726.28 2023.95,1733.57
DSI_D2_P: J802.23 U101.B8 | length 38.5
  TOP w3: 2006.85,1730.14 2006.85,1710.3 2016.5,1700.65 U101.B8@2016.66,1700.65
  TOP w3.2: 2006.85,1730.14 2010.28,1733.57
DSI_D3_N: J802.27 U101.A9 | length 16.1
  TOP w3.2: U101.A9@2036.35,1720.33 U101.A9@2036.35,1723.75
  TOP w3.4: U101.A9@2036.35,1723.75 2043.2,1730.6 2043.2,1733.57
DSI_D3_P: J802.29 U101.B9 | length 40.2
  TOP w3: 2026.42,1714.5 2026.42,1710.58 U101.B9@2036.35,1700.65
  TOP w3.2: 2026.42,1714.5 2026.42,1725.9 2034.09,1733.57
EMMC_VDDIM: C508.1 C509.1 U501.C2 | length 134.9
  TOP w3.2: 2352.7,875.8 U501.C2@2362.57,865.93 2372.42,875.78 2372.42,893 v1(2361.38,904.04) 2352.7,895.36 2352.7,875.8
  BOTTOM w12: C508.1@2351.83,919.73 2351.83,913.59 v1(2361.38,904.04) 2377.02,919.68 C509.1@2377.64,919.68
ENET1_MDC: J801.37 U101.AA11 | length 12.5
  TOP w4.4: 2075.72,1314.16 U101.AA11@2075.72,1326.63
ENET1_MDIO: J801.39 U101.AA10 | length 12.5
  TOP w3.2: 2056.04,1314.16 U101.AA10@2056.04,1326.62
ENET1_RD0: J801.49 U101.AA8 | length 12.5
  TOP w3.2: 2016.66,1314.16 U101.AA8@2016.66,1326.63
ENET1_RD1: J801.47 U101.Y9 | length 36.3
  TOP w3.2: 2026.42,1314.16 2026.42,1336.39 U101.Y9@2036.35,1346.32
ENET1_RD2: J801.43 U101.AA9 | length 12.5
  TOP w3.2: 2036.35,1314.16 U101.AA9@2036.35,1326.63
ENET1_RD3: J801.41 U101.Y10 | length 36.2
  TOP w3.2: 2046.2,1314.16 2046.2,1336.49 U101.Y10@2056.03,1346.32
ENET1_RX_CTL: J801.51 U101.Y8 | length 36.3
  TOP w3.2: 2006.73,1314.16 2006.73,1336.45 U101.Y8@2016.66,1346.32 U101.Y8@2016.66,1346.32
ENET1_RXC: J801.53 U101.AA7 | length 12.7
  TOP w4.4: 1996.51,1314.16 1996.51,1326.16 U101.AA7@1996.98,1326.63
ENET1_TD0: J801.44 U101.W11 | length 55.9
  TOP w3.2: 2065.9,1314.16 2065.9,1356.18 U101.W11@2075.72,1366
ENET1_TD1: J801.42 U101.T12 | length 107.3
  TOP w3.2: v1(2077.66,1422.86) 2079.86,1425.06 U101.T12@2095.41,1425.06
  L3_INT_1 w3.6: v1(2077.66,1422.86) 2077.66,1422.51 2093.25,1406.92 2093.25,1380.04 2085.13,1371.92 2085.13,1344
ENET1_TD2: J801.40 U101.U12 | length 92.6
  TOP w3.2: U101.U12@2095.41,1405.37 2112.63,1405.37 2114.63,1403.37 v1(2117.89,1403.37)
  L3_INT_1 w3.6: 2093.83,1344 2093.83,1371 2101.84,1379.01 2101.84,1387.32 v1(2117.89,1403.37)